# Altium PCB HOMER3E-V3.5-G510.PcbDoc (part 2 of 2)
Units mm, origin at the board's own origin, x right, y up, seen from the top; angles counter-clockwise.
Board outline 74 x 50 mm, 4 copper layers (TopLayer, Min_GND, GND, BottomLayer), stack 0.91 mm thick; 166 components, 113 nets, 518 pads, 287 vias.
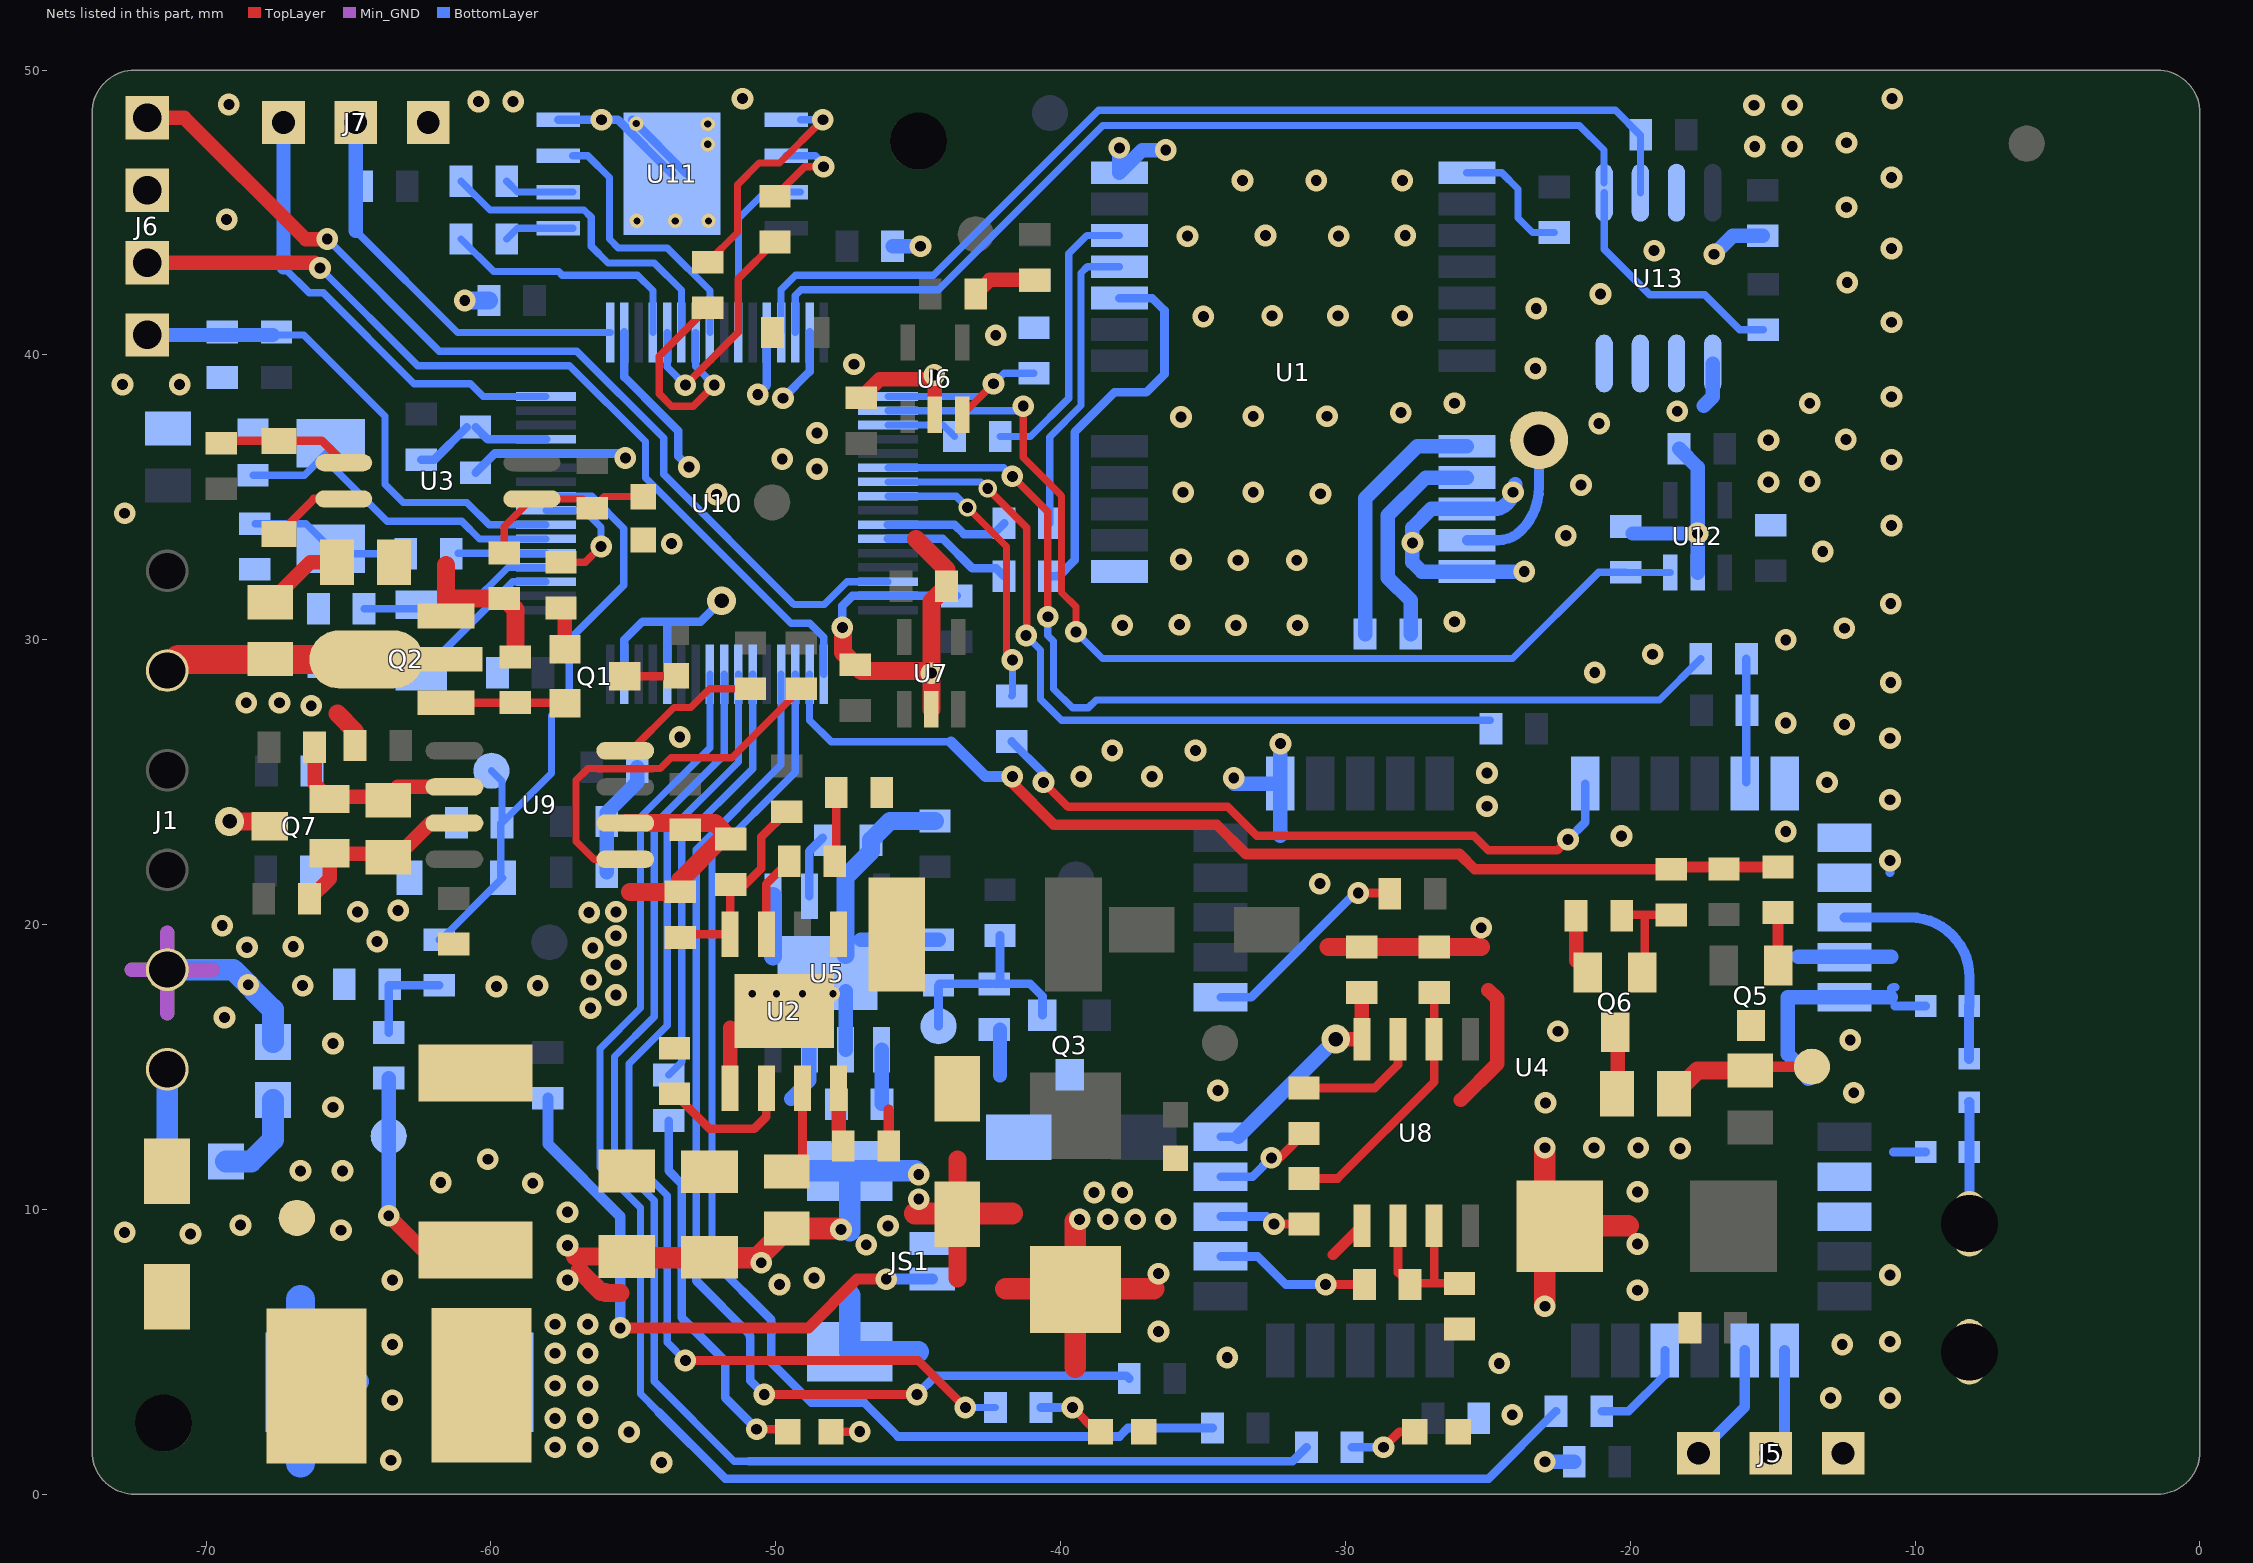
[diagram p4: the nets of this part, all layers, seen from the top]

## Via types
v1: diameter 0.762, hole 0.381, TopLayer to BottomLayer, tented both sides, 267 vias
v2: diameter 0.508, hole 0.254, TopLayer to BottomLayer, tented both sides, 10 vias
v3: diameter 1.016, hole 0.508, TopLayer to BottomLayer, tented both sides, 8 vias
v4: diameter 0.635, hole 0.381, TopLayer to BottomLayer, tented both sides, 2 vias

## Nets (pads, with @x,y where several pads share a name; then routed paths per layer and width w, separated by ;. In a path a pad name is that pad's centre, name@x,y a point inside that pad or via, vN(x,y) a via of type N, cw(c..) or ccw(c..) an arc to the next point about the centre after c; other vN are vias at no path point) (continued)
GND: C1.2 C3.2 C4.2 C6.2 C8.2 C9.1 C12.2 C13.2 C14.2 C15.2 C16.2 C17.2 C19.2 C20.2 C21.2 C22.2 C23.2 C24.2 C25.2 C26.2 C27.2 C28.2 C29.2 C30.2 C31.2 C32.2 C33.2 C34.1 C35.1 C36.1 C37.1 C38.1 C39.1 C40.2 C41.2 C42.2 C43.2 C46.2 C47.2 C48.2 C49.1 C50.2 C51.2 C52.2 C53.2 C54.2 C55.2 C56.2 C57.2 D1.1 D2.1 D4.1 D7.2 D8.2 D10.2 D11.2 J1.2 J5.3 J6.3 J7.3 JS1.2 JS1.B1 JS1.B2 pad.2@-8.09,5 Q2.3 Q6.3 Q7.3 R4.2 R5.1 R7.2 R8.2 R11.2 R19.2 R20.2 R27.2 R30.2 R34.2 R48.2 R59.2 TP8.1 U1.10 U1.12 U1.13 U1.24 U2.5 U2.9 U3.2 U4.1 U4.2 U4.4 U4.5 U4.7 U4.8 U4.32 U4.42 U5.1 U5.3 U5.6 U5.7 U5.9 U6.2 U7.2 U8.1 U9.2 U10.12 U10.18 U10.28 U10.31 U10.47 U10.60 U10.63 U11.4 U11.9 U12.2 U13.1 U13.2 U13.3 U13.4 U13.7 | length 223.1
  TopLayer w0.3: D1.1@-67.44,33.715 -66.21,34.945 U3.2@-65.162,34.945 ; R8.2@-51.911,23.01 R8.2@-51.58,23.01 ; D11.2@-48.056,2.2 v1(-47.051,2.2)
  TopLayer w0.381: -30.439,8.407 U8.1@-29.423,9.423
  TopLayer w0.508: U2.5@-51.6,14.26 -51.6,16.386 ; C22.2@-47,38.494 -46.35,39.144 v1@-44.513,39.144 ; U6.2@-44.409,37.897 v1@-44.409,39.04 ; C20.2@-42.974,42.139 -42.479,42.634 C3.2@-40.904,42.634 ; -25.943,13.843 -24.674,15.112 -24.674,17.4 -24.978,17.704 ; C48.2@-21.9,20.315 -21.9,18.739 Q6.3@-21.483,18.322
  TopLayer w0.635: v3(-69.174,23.622) Q7.3@-67.922,23.622 ; -65.389,27.407 -64.767,26.784 C49.1@-64.767,26.289 ; Q2.3@-61.57,30.834 -61.57,32.63 ; -61.559,31.45 R7.2@-59.53,31.45 -59.14,31.06 R11.2@-59.14,29.4 ; -57.039,8.35 C6.2@-55.23,8.35 ; -56.88,7.849 -56.131,7.099 -55.977,7.099 -55.977,7.061 -55.458,7.061 ; U9.2@-55.28,23.565 -52.135,23.565 R8.2@-51.58,23.01 ; -55.111,21.15 C13.2@-53.35,21.15 -53.35,21.571 R8.2@-51.911,23.01 ; v1(-47.66,30.429) -47.635,30.404 -47.635,29.553 C19.2@-47.203,29.121 -46.987,28.905 -44.815,28.905 v1@-44.536,28.626 ; -45.069,33.54 -44.003,32.473 C21.2@-44.003,31.877 -44.536,31.344 v1@-44.536,28.626 ; U7.2@-44.536,27.559 v1@-44.536,28.626 ; -43.622,7.569 -43.622,11.76 ; -30.592,19.215 C39.1@-29.423,19.215 -25.245,19.215
  TopLayer w0.762: C6.2@-55.23,8.306 -50.634,8.306 C8.2@-49.61,9.33 v1@-47.83,9.33 ; -45.12,9.855 -41.691,9.855 ; -41.92,7.214 -36.738,7.214 ; -39.481,4.47 v1@-39.481,9.576 ; v1(-22.997,6.604) v1(-22.997,12.167) ; C24.2@-22.463,9.423 -20.076,9.423
  Min_GND w0.508: -72.603,18.415 -69.763,18.415 ; -71.358,16.891 -71.358,19.71
  BottomLayer w0.3: -66.71,1.067 -66.685,1.092 ; C55.2@-60.538,35.865 -59.863,36.54 U10.12@-58.06,36.54 -55.438,36.54 v1(-55.279,36.381) ; U11.4@-57.636,48.259 -55.541,48.259 U11.9@-53.636,46.354 ; U10.63@-55.31,28.79 -55.31,30.005 -54.675,30.64 -52.631,30.64 v3(-51.902,31.369) ; U10.18@-55.31,40.79 -55.31,39.222 -53.934,37.846 ; U11.9@-55.033,48.259 U11.9@-53.128,46.354 ; U10.60@-53.81,28.79 -53.81,30.637 ; -53.807,37.719 -53.934,37.846 ; v1(-53.045,36.068) -53.426,36.449 -53.426,37.338 -53.934,37.846 ; v1(-50.632,38.608) -50.31,38.93 U10.28@-50.31,40.79 ; v1(-49.743,38.481) -48.81,39.414 U10.31@-48.81,40.79 ; v1(-47.66,30.429) -47.66,31.191 -47.311,31.54 U10.47@-46.06,31.54 ; -47.151,31.54 U10.47@-46.06,31.54 ; C30.2@-43.653,31.54 U10.47@-46.06,31.54
  BottomLayer w0.305: -10.881,21.819 v1(-10.881,22.25) ; -10.83,17.755 cw(c-10.708,17.632) -10.708,17.805 ; -10.77,12.014 C56.2@-9.627,12.014 ; -10.708,17.145 C57.2@-9.627,17.145
  BottomLayer w0.508: R20.2@-55.928,21.844 -55.928,23.927 -54.861,24.993 C31.2@-54.861,25.527 ; -49.464,13.894 -48.819,14.538 U5.7@-48.819,15.601 U5.9@-48.819,17.666 ; U5.6@-47.549,15.601 U5.9@-47.549,17.666 ; U5.9@-47.016,19.469 C41.2@-44.282,19.469 ; C34.1@-45.895,43.815 v1(-44.917,43.815) ; v1(-37.936,47.268) U1.24@-37.936,46.395 -37.138,47.193 v1(-36.306,47.193) ; v1@-33.901,24.95 U4.32@-32.28,24.95 ; -32.28,23.127 U4.32@-32.28,24.95 ; v1(-32.28,26.353) U4.32@-32.28,24.95 ; v1@-24.038,35.458 cw(c-24.958,35.458) -24.308,34.808 -24.343,34.773 cw(c-24.771,35.2) -24.771,34.595 U1.10@-25.736,34.595 -26.984,34.595 -27.645,33.934 -27.645,32.715 -27.325,32.395 U1.12@-25.736,32.395 v1(-23.718,32.395) ; v1(-22.997,1.143) C17.2@-21.968,1.143 ; R30.2@-19.911,33.731 v1(-17.637,33.731) ; C42.2@-18.285,36.703 -17.637,36.055 v1(-17.637,33.731) ; U12.2@-17.637,32.36 v1(-17.637,33.731) ; -17.421,38.221 -17.104,38.538 U13.1@-17.104,39.697 ; v1(-17.053,43.536) -16.405,44.183 C46.2@-15.351,44.183 ; -14.107,18.872 -10.83,18.872 ; -13.751,14.58 -13.751,14.732 -14.462,15.443 -14.462,17.45 -10.856,17.45
  BottomLayer w0.635: v1(-60.919,41.91) C28.2@-60.068,41.91 ; -50.089,18.888 U5.1@-50.089,21.001 ; U5.9@-47.549,18.936 U5.3@-47.549,21.001 -47.549,21.676 -46.657,22.568 R19.2@-46.657,22.962 -45.984,23.635 C16.2@-44.409,23.635
  BottomLayer w0.762: J1.2@-71.36,18.42 -69.052,18.42 -67.65,17.018 C40.2@-67.65,15.875 ; D4.1@-66.634,3.962 -64.653,3.962 ; -49.413,11.354 v1@-45.103,11.354 ; -47.398,6.976 JS1.B1@-47.398,5.004 -44.993,5.004 ; v1@-47.398,9.254 JS1.B2@-47.398,11.354
  BottomLayer w1.016: -66.685,1.092 -66.685,6.833
  other v1: -54.01,1.118 -63.51,1.194 -55.153,2.184 -24.14,2.794 -63.459,3.302 -12.964,3.378 -10.881,3.378 -24.597,4.597 -34.147,4.801 -63.459,5.258 -12.557,5.258 -10.881,5.359 -36.56,5.715 -19.746,7.163 -49.87,7.366 -63.459,7.518 -57.312,7.518 -48.651,7.595 -10.881,7.696 -36.56,7.747 -50.507,8.128 -57.312,8.738 -46.822,8.763 -19.746,8.788 -70.546,9.144 -72.857,9.195 -65.262,9.271 -47.711,9.296 -46.06,9.423 -68.793,9.449 -39.329,9.652 -38.338,9.652 -37.373,9.652 -36.306,9.652 -57.312,9.906 -44.976,10.363 -38.821,10.592 -37.83,10.592 -19.746,10.617 -58.531,10.922 -61.757,10.947 -44.976,11.227 -66.685,11.354 -65.212,11.354 -60.106,11.76 -18.247,12.141 -21.27,12.167 -19.72,12.167 -65.542,13.589 -22.971,13.741 -12.151,14.097 -34.478,14.173 -65.542,15.824 -12.278,15.951 -22.54,16.256 -69.352,16.739 -56.499,17.069 -55.61,17.526 -59.801,17.831 -66.609,17.856 -58.354,17.856 -68.52,17.888 -56.474,18.059 -55.61,18.593 -56.423,19.177 -68.564,19.202 -66.939,19.228 -63.992,19.406 -55.61,19.609 -25.232,19.888 -69.428,19.964 -56.55,20.422 -64.678,20.447 -55.61,20.447 -63.256,20.498 -30.896,21.438 -20.304,23.114 -14.539,23.266 -25.029,24.155 -10.881,24.384 -13.091,24.994 -33.919,25.146 -39.278,25.197 -36.789,25.197 -25.029,25.324 -38.186,26.111 -35.265,26.111 -10.881,26.543 -53.369,26.585 -12.481,27.026 -14.539,27.076 -66.304,27.686 -68.59,27.788 -67.421,27.788 -10.856,28.499 -44.536,28.829 -21.244,28.854 -19.212,29.489 -14.539,29.997 -12.481,30.404 -37.83,30.505 -33.843,30.505 -31.684,30.505 -35.824,30.531 -26.172,30.632 -10.856,31.267 -33.766,32.791 -31.709,32.791 -35.773,32.817 -13.243,33.096 -53.655,33.376 -27.645,33.401 -22.26,33.655 -10.83,34.011 -72.857,34.442 -52.08,35.103 -30.871,35.128 -35.697,35.179 -33.233,35.179 -24.114,35.179 -21.727,35.433 -15.148,35.535 -13.7,35.56 -48.549,35.992 -10.83,36.322 -49.768,36.347 -15.148,37.008 -12.43,37.033 -48.549,37.262 -21.092,37.592 -35.773,37.821 -33.233,37.846 -30.642,37.846 -28.051,37.973 -18.349,38.024 -26.172,38.303 -13.7,38.303 -10.83,38.532 -72.933,38.964 -70.927,38.964 -44.434,39.294 -23.327,39.522 -47.254,39.675 -42.275,40.691 -10.83,41.148 -34.986,41.351 -32.573,41.377 -30.261,41.377 -28.001,41.377 -23.302,41.631 -21.041,42.139 -12.38,42.545 -19.161,43.663 -10.83,43.739 -35.544,44.171 -30.236,44.171 -32.801,44.196 -27.899,44.196 -69.276,44.755 -12.405,45.187 -33.614,46.126 -31.023,46.126 -28.001,46.126 -10.83,46.228 -15.631,47.32 -14.31,47.32 -12.405,47.447 -56.118,48.259 -15.656,48.768 -14.31,48.768 -69.199,48.793 -60.436,48.895 -59.217,48.895 -51.165,48.997 -10.805,48.997
  other v2: -50.826,17.577 -49.972,17.577 -49.057,17.577 -47.99,17.577 -54.874,44.704 -53.528,44.704 -52.359,44.704 -52.385,47.396 -52.385,48.108 -54.898,48.124
GNSS_LED: R37.1 U10.55 | length 38.1
  TopLayer w0.305: v1(-53.172,4.699) -44.993,4.699 v1(-43.342,3.048)
  BottomLayer w0.254: v1(-53.172,4.699) -53.807,5.334 -53.807,10.439 -53.807,10.49 -55.153,11.836 -55.153,15.113 -53.807,16.459 -53.807,23.216 -51.31,25.713 U10.55@-51.31,28.79 ; v1(-43.342,3.048) R37.1@-42.288,3.048
GPS_EN: R34.1 U6.3 U10.33 | length 7
  TopLayer w0.254: U6.3@-43.459,37.897 -43.444,37.897 v1(-42.352,38.989)
  BottomLayer w0.254: U10.33@-46.06,38.54 -42.801,38.54 v1(-42.352,38.989) -41.983,39.357 R34.1@-40.929,39.357
GPS_RXD: R41.1 U10.42 | length 4.4
  BottomLayer w0.3: U10.42@-46.06,34.04 -43.723,34.04 -43.395,33.712 -42.358,33.712 R41.1@-41.983,34.087
GPS_TXD: R40.1 U10.43 | length 4.6
  BottomLayer w0.3: U10.43@-46.06,33.54 -44.13,33.54 -43.102,32.512 -42.263,32.512 R40.1@-41.983,32.233
GPS_VBACK: R1.1 U10.35 | length 2.5
  BottomLayer w0.254: U10.35@-46.06,37.54 -44.124,37.54 R1.1@-43.719,37.135
GSM_LED: R25.1 U10.56 | length 51.3
  BottomLayer w0.254: U10.56@-51.81,28.79 -51.81,25.959 -54.264,23.505 -54.264,16.764 -55.661,15.367 -55.661,11.709 -54.264,10.312 -54.264,3.965 -51.461,1.162 -50.937,1.162
  BottomLayer w0.305: -50.937,1.162 -31.855,1.162 R25.1@-31.366,1.651
GSM_PWR_EN: R33.2 R35.1 R36.2 U10.50 | length 37.9
  TopLayer w0.381: v1(-41.691,25.197) -41.691,24.968 -40.231,23.508 -34.516,23.508 -33.487,22.479 -25.994,22.479 -25.456,21.941 R36.2@-18.56,21.941 ; R36.2@-18.56,22.024 R35.1@-14.81,22.024
  BottomLayer w0.254: U10.50@-48.81,28.79 -48.81,27.178 -48.048,26.416 -43.85,26.416
  BottomLayer w0.381: -43.85,26.416 -42.631,25.197 v1(-41.691,25.197)
GSM_PWR_ON: R21.2 U10.57 | length 61.8
  BottomLayer w0.254: -54.122,2.901 -54.747,3.526 -54.747,10.058 -56.169,11.481 -56.169,15.646 -54.747,17.069 -54.747,23.774 -52.31,26.211 U10.57@-52.31,28.79
  BottomLayer w0.3: -54.122,2.901 -51.767,0.546 -51.394,0.546
  BottomLayer w0.305: -51.394,0.546 -24.978,0.546 R21.2@-22.603,2.921
GSM_RST: R24.2 U10.40 | length 10.2
  TopLayer w0.254: v4(-43.266,34.646) -41.894,33.274 -41.894,29.489 v1(-41.691,29.286)
  BottomLayer w0.254: U10.40@-46.06,35.04 -43.66,35.04 v4(-43.266,34.646) ; R24.2@-41.717,28.029 -41.691,28.054 v1(-41.691,29.286)
GSM_RXD: R47.2 U10.51 | length 42.9
  BottomLayer w0.254: -52.235,8.207 -52.235,22.425 -49.31,25.35 U10.51@-49.31,28.79
  BottomLayer w0.305: -52.235,8.207 -50.153,6.125 -50.153,4.627 -48.752,3.226 -46.898,3.226 -45.704,2.032 -37.932,2.032 -37.637,2.327 R47.2@-34.668,2.327
GSM_STATUS: R32.2 U10.39 | length 27.9
  TopLayer w0.254: v4(-42.555,35.306) -41.183,33.934 v1@-41.183,30.175
  BottomLayer w0.254: U10.39@-46.06,35.54 -42.789,35.54 v4(-42.555,35.306) ; v1(-41.209,30.15) -40.701,29.642 -40.701,27.915 -39.964,27.178 R32.2@-24.902,27.178
GSM_TXD: R45.2 U10.52 | length 40.6
  TopLayer w0.305: v1(-50.403,3.505) v1(-45.044,3.505)
  BottomLayer w0.254: -52.791,8.128 -52.791,22.631 -49.81,25.612 U10.52@-49.81,28.79
  BottomLayer w0.305: -52.791,8.128 -52.791,7.493 -50.907,5.609 -50.907,5.54 -50.895,5.54 -50.895,3.997 v1(-50.403,3.505) ; v1(-45.044,3.505) -44.384,4.166 -37.691,4.166 R45.2@-37.589,4.064
GSM_WAKE_UP: R51.2 U10.38 | length 35.8
  TopLayer w0.254: v1(-41.691,35.738) -40.447,34.493 v1(-40.447,30.81)
  BottomLayer w0.254: U10.38@-46.06,36.04 -41.993,36.04 ; v1(-40.447,30.81) -40.447,30.15 -40.243,29.947 -40.243,28.27 -39.583,27.61 -39.024,27.61 -38.745,27.889 -18.971,27.889 R51.2@-17.523,29.337
JDQK: J1.5 Q2.2 R10.1 | length 7.2
  TopLayer w0.305: J1.5@-71.36,28.92 J1.5@-70.969,29.311
  TopLayer w1.016: J1.5@-70.969,29.311 Q2.2@-64.37,29.311
JDQK_O: R9.1 U10.8 | length 4.5
  TopLayer w0.254: R9.1@-57.54,32.72 -56.683,32.72 v1(-56.129,33.274)
  BottomLayer w0.254: U10.8@-58.06,34.54 -56.724,34.54 -56.129,33.945 v1(-56.129,33.274)
MCU_LED: R38.2 U10.54 | length 15.3
  BottomLayer w0.254: R38.2@-53.756,14.719 -53.299,15.176 -53.299,22.987 -50.81,25.476 U10.54@-50.81,28.79
MEM_EN: R30.1 U10.34 U12.3 | length 36
  TopLayer w0.254: v1(-41.31,38.202) -41.31,36.398 -39.964,35.052 -39.964,31.663 -39.456,31.155 v1(-39.456,30.277)
  BottomLayer w0.254: U10.34@-46.06,38.04 -41.472,38.04 v1(-41.31,38.202) ; v1(-39.456,30.277) -38.525,29.346 -24.131,29.346 -21.104,32.372 R30.1@-20.152,32.372 ; R30.1@-20.152,32.36 U12.3@-18.587,32.36
NetANT1_1: ANT1.1 U1.11 | length 5.3
  BottomLayer w0.356: U1.11@-25.736,33.495 -24.65,33.495 ccw(c-24.65,34.647) -23.835,33.833 ccw(c-25.368,35.366) -23.2,35.366 ANT1.1@-23.2,37.008
NetANT2_1: C56.1 pad.2@-8.09,9.5 R68.2 | length 4.3
  BottomLayer w0.36: pad.2@-8.09,9.5 R68.2@-8.09,13.767
  BottomLayer w0.37: R68.2@-8.103,13.767 R68.2@-8.09,13.767
NetC2_1: C2.1 U2.8 | length 1.9
  TopLayer w0.508: C2.1@-47.79,12.39 U2.8@-47.79,14.26
NetC2_2: C2.2 D2.2 L1.1 U2.1 | length 1.8
  TopLayer w0.381: C2.2@-46.03,12.23 -46.03,13.492
  TopLayer w0.6: L1.1@-45.75,19.66 L1.1@-45.38,19.29
NetC5_1: C5.1 U2.3 | length 2.9
  TopLayer w0.305: U2.3@-50.33,19.66 -50.33,21.422 C5.1@-49.527,22.225
NetC5_2: C5.2 R5.2 | length 2.4
  TopLayer w0.305: C5.2@-47.876,22.276 R5.2@-47.876,24.638
NetC6_1: C6.1 C8.1 C9.2 L2.2 U2.7 | length 2.4
  TopLayer w0.305: C8.1@-49.06,11.88 U2.7@-49.06,14.26
NetC13_1: C13.1 R6.2 R8.1 U2.4 | length 7
  TopLayer w0.305: C13.1@-53.24,19.66 U2.4@-51.6,19.66 R8.1@-51.6,21.39 ; R8.1@-51.58,21.41 -51.066,21.41 -50.505,21.971 -50.505,23.076 R6.2@-49.616,23.965
NetC14_1: C14.1 R10.2 | length 2.9
  TopLayer w0.508: R10.2@-67.74,31.32 -66.34,32.72 C14.1@-65.4,32.72
NetC18_1: C18.1 D3.1 J1.1 | length 3.2
  BottomLayer w0.762: C18.1@-71.36,11.711 J1.1@-71.36,14.92
NetC18_2: C18.2 C40.1 | length 3.4
  BottomLayer w0.762: C18.2@-69.301,11.684 -68.412,11.684 -67.65,12.446 C40.1@-67.65,13.843
NetC38_2: C38.2 R46.1 Y2.1 | length 5.5
  BottomLayer w0.254: C38.2@-68.285,34.074 -66.49,34.074 Y2.1@-65.618,33.202 ; Y2.1@-65.436,33.02 R46.1@-62.989,33.02
NetC41_1: C41.1 Q3.1 R13.2 R29.1 TP9.1 | length 7.5
  BottomLayer w0.305: TP9.1@-44.282,16.434 C41.1@-44.282,17.844 ; C41.1@-44.257,17.92 R29.1@-42.428,17.92 ; R29.1@-42.326,17.92 -41.069,17.92 -40.635,17.485 Q3.1@-40.635,16.823 ; R29.1@-42.123,17.92 R13.2@-42.123,19.622
NetC48_1: C48.1 Q6.1 R36.1 | length 4
  TopLayer w0.305: C48.1@-20.274,20.341 R36.1@-18.56,20.341 ; Q6.1@-19.49,17.97 -19.49,20.241
NetC54_1: C54.1 R7.1 R67.1 U3.3 | length 6.7
  TopLayer w0.254: R7.1@-59.53,33.05 -59.53,33.973 U3.3@-58.558,34.945 -56.763,34.945 R67.1@-56.439,34.62 -56.032,35.027 C54.1@-54.645,35.027 ; C54.1@-54.645,35.154 C54.1@-54.417,35.154
NetC55_1: C55.1 R61.1 U10.13 | length 4.7
  BottomLayer w0.3: R61.1@-62.443,36.322 -61.984,36.322 C55.1@-60.841,37.465 ; C55.1@-60.538,37.465 -60.113,37.04 U10.13@-58.06,37.04
NetC57_1: C57.1 R68.1 U4.3 | length 8.5
  BottomLayer w0.36: U4.3@-12.48,20.25 -10.179,20.25 cw(c-10.179,18.161) -8.09,18.161 C57.1@-8.09,17.158 ; R68.1@-8.103,15.291 C57.1@-8.103,17.145
  BottomLayer w0.37: C57.1@-8.103,17.145 C57.1@-8.09,17.158
NetD1_2: D1.2 R2.1 U3.1 | length 4.5
  TopLayer w0.305: R2.1@-69.385,36.985 D1.2@-67.44,36.985 -65.932,36.985 U3.1@-65.162,36.215
NetD3_2: D3.2 F1.1
NetD7_1: D7.1 R25.2 | length 2.4
  TopLayer w0.305: v1(-28.661,1.651) -28.112,2.2 D7.1@-27.56,2.2
  BottomLayer w0.305: R25.2@-29.766,1.651 v1(-28.661,1.651)
NetD10_1: D10.1 R37.2 | length 2.4
  TopLayer w0.3: D10.1@-38.735,2.2 D10.1@-38.6,2.2
  TopLayer w0.305: v1(-39.583,3.048) D10.1@-38.735,2.2
  BottomLayer w0.305: R37.2@-40.688,3.048 v1(-39.583,3.048)
NetD11_1: D11.1 R38.1 | length 13.3
  TopLayer w0.305: v1@-50.886,2.286 v1(-50.67,2.286) D11.1@-49.666,2.286
  BottomLayer w0.305: R38.1@-53.756,13.119 -53.756,11.354 -53.299,10.897 -53.299,6.198 -51.775,4.674 -51.775,3.391 v1(-50.67,2.286)
NetJ5_1: J5.1 U4.12 | length 4.3
  BottomLayer w0.381: J5.1@-17.606,1.439 -15.98,3.065 U4.12@-15.98,5.05
NetJ5_2: J5.2 U4.11 | length 3.8
  BottomLayer w0.381: J5.2@-15.066,1.439 -14.58,1.925 U4.11@-14.58,5.05
NetL9_1: L9.1 Q5.3 R56.1 TP11.1 | length 5
  TopLayer w0.381: L9.1@-15.659,15.011 TP11.1@-13.624,15.011
  TopLayer w0.635: R56.1@-18.46,14.06 -17.64,14.88 L9.1@-15.79,14.88
NetQ1_1: Q1.1 R9.2 | length 1.3
  TopLayer w0.508: Q1.1@-57.4,29.67 R9.2@-57.4,30.98
NetQ1_2: Q1.2 Q2.1 R11.1 | length 4.2
  TopLayer w0.305: Q2.1@-61.57,27.786 -57.416,27.786 Q1.2@-57.4,27.77
NetQ1_3: Q1.3 R60.1 | length 1.8
  TopLayer w0.305: Q1.3@-55.3,28.72 R60.1@-53.5,28.72
NetQ5_1: Q5.1 R35.2 | length 1.9
  TopLayer w0.381: Q5.1@-14.81,18.56 R35.2@-14.81,20.424
NetQ6_2: Q6.2 R56.2 | length 1.8
  TopLayer w0.508: R56.2@-20.44,14.08 Q6.2@-20.44,15.87
NetQ7_1: Q7.1 R39.1 R42.1 U9.7 | length 6.5
  TopLayer w0.508: R39.1@-66.37,20.905 -65.66,21.615 Q7.1@-65.66,22.51 ; Q7.1@-65.64,22.49 R42.1@-63.61,22.49 ; R42.1@-63.448,22.49 -63.205,22.49 -62.13,23.565 U9.7@-61.28,23.565
NetQ7_2: Q7.2 R42.2 R43.1 U9.6 | length 6.5
  TopLayer w0.305: R42.2@-63.61,24.49 R42.2@-63.265,24.835
  TopLayer w0.508: R43.1@-66.19,26.23 -66.19,24.94 Q7.2@-65.66,24.41 ; Q7.2@-65.58,24.49 R42.2@-63.61,24.49 ; R42.2@-63.265,24.835 U9.6@-61.28,24.835
NetR1_2: R1.2 U1.22 | length 10.1
  BottomLayer w0.254: R1.2@-42.119,37.135 -41.056,37.135 -39.71,38.481 -39.71,43.561 -39.076,44.195 U1.22@-37.936,44.195
NetR4_1: R4.1 U2.6 | length 4.9
  TopLayer w0.305: R4.1@-53.553,14.059 -52.327,12.833 -50.753,12.833 -50.33,13.256 U2.6@-50.33,14.26
NetR12_2: R12.2 R51.1 U4.41 | length 4.3
  BottomLayer w0.305: U4.41@-15.923,25.007 R51.1@-15.923,29.337
NetR14_1: R14.1 U4.23 | length 5.5
  TopLayer w0.305: v1(-30.693,7.366) R14.1@-29.334,7.366
  BottomLayer w0.305: U4.23@-34.38,8.35 -33.074,8.35 -32.09,7.366 v1(-30.693,7.366)
NetR16_1: R16.1 U4.24 | length 3
  TopLayer w0.305: v1(-32.509,9.487) R16.1@-31.455,9.487
  BottomLayer w0.3: v1@-32.772,9.75 v1(-32.509,9.487)
  BottomLayer w0.305: U4.24@-34.38,9.75 v1@-32.772,9.75
NetR17_1: R17.1 U4.25 | length 3.6
  TopLayer w0.305: v1(-32.598,11.811) -32.306,11.811 R17.1@-31.455,12.662
  BottomLayer w0.305: U4.25@-34.38,11.15 -33.259,11.15 v1(-32.598,11.811)
NetR18_2: R18.2 U4.27 | length 7.4
  TopLayer w0.305: v1(-29.55,21.107) R18.2@-28.445,21.107
  BottomLayer w0.305: U4.27@-34.38,17.45 -33.309,17.45 -29.652,21.107 v1(-29.55,21.107)
NetR19_1: R19.1 U5.2 | length 2.2
  BottomLayer w0.305: U5.2@-48.819,21.001 -48.819,22.578 R19.1@-48.346,23.051
NetR21_1: R21.1 U4.14 | length 3.6
  BottomLayer w0.305: R21.1@-21.003,2.921 -20.05,2.921 -18.78,4.191 U4.14@-18.78,5.05
NetR22_1: R22.1 R23.2 R27.1 | length 3.4
  BottomLayer w0.305: R22.1@-63.58,16.21 R27.1@-63.58,17.875 ; R27.1@-63.51,17.869 R23.2@-61.808,17.869
NetR24_1: R24.1 U4.37 | length 23.7
  TopLayer w0.3: v1(-40.599,24.994) -39.735,24.13 -34.122,24.13 -33.106,23.114 -25.486,23.114 -24.978,22.606 -22.565,22.606 v1(-22.184,22.987)
  BottomLayer w0.3: R24.1@-41.717,26.429 -40.599,25.311 v1(-40.599,24.994) ; v1(-22.184,22.987) -21.58,23.591 U4.37@-21.58,24.95
NetR26_1: R26.1 U1.9 | length 7.8
  BottomLayer w0.508: R26.1@-27.709,30.201 -27.709,31.382 -28.509,32.182 -28.509,34.366 -27.179,35.695 U1.9@-25.736,35.695
NetR26_2: R26.2 U1.8 | length 9.1
  BottomLayer w0.508: R26.2@-29.309,30.201 -29.309,34.963 -27.476,36.795 U1.8@-25.736,36.795
NetR40_2: R40.2 U1.20 | length 13.6
  BottomLayer w0.305: R40.2@-40.383,32.233 -40.063,32.233 -39.507,32.789 -39.507,37.287 -38.11,38.684 -36.992,38.684 -36.354,39.323 -36.354,41.56 -36.789,41.995 U1.20@-37.936,41.995
NetR41_2: R41.2 U1.21 | length 10.7
  BottomLayer w0.254: R41.2@-40.383,34.087 -40.383,37.122 -39.278,38.227 -39.278,42.875 -39.058,43.095 U1.21@-37.936,43.095
NetR57_1: R57.1 U9.1 | length 13.4
  TopLayer w0.254: U9.1@-55.28,22.295 -56.379,22.295 -57.01,22.926 -57.01,25.065 -56.599,25.476 -56.26,25.476 -56.254,25.47 -54.306,25.47 -54.3,25.476 -54.059,25.476 -53.679,25.856 -51.535,25.856 R57.1@-49.108,28.283
NetR58_1: R58.1 U9.4 | length 5.3
  TopLayer w0.254: U9.4@-55.28,26.105 -55.089,26.105 -53.57,27.624 -52.98,27.624 -52.321,28.283 R58.1@-50.886,28.283
NetR62_2: R62.2 U11.1 | length 2.5
  BottomLayer w0.254: R62.2@-59.446,44.069 -59.066,44.449 U11.1@-57.636,44.449 U11.1@-57.128,44.449
NetR63_2: R63.2 U11.2 | length 2.5
  BottomLayer w0.254: R63.2@-59.446,46.101 -59.064,45.719 U11.2@-57.636,45.719 U11.2@-57.128,45.719
NetR64_1: R64.1 U11.6 | length 3.9
  TopLayer w0.254: R64.1@-50.022,45.568 -48.981,46.609 v1(-48.321,46.609) v1@-48.092,46.609
  BottomLayer w0.254: U11.6@-49.636,46.989 -48.599,46.989 -48.321,46.711 v1(-48.321,46.609)
NetR65_1: R65.1 U11.5 | length 7.9
  TopLayer w0.254: R65.1@-52.385,43.256 -51.343,44.298 -51.343,45.974 -50.582,46.735 -49.869,46.735 v1(-48.345,48.259)
  BottomLayer w0.254: U11.5@-49.128,48.259 v1(-48.345,48.259)
NetR66_2: R66.2 U1.1 | length 4.5
  BottomLayer w0.254: U1.1@-25.736,46.395 -24.51,46.395 -23.937,45.822 -23.937,44.806 -23.429,44.298 R66.2@-22.667,44.298
NRST: C33.1 J6.1 R44.1 U10.7 | length 18.3
  BottomLayer w0.254: J6.1@-72.07,40.7 J6.1@-71.965,40.805 ; R44.1@-67.65,40.7 -66.567,40.7 -63.713,37.846 -63.713,35.456 -63.078,34.821 -60.842,34.821 -60.061,34.04 U10.7@-58.06,34.04
  BottomLayer w0.508: J6.1@-72.07,40.7 R44.1@-67.65,40.7
PWR_ADC: C47.1 D8.1 R23.1 TP5.1 U10.9 | length 22.4
  BottomLayer w0.254: R23.1@-61.808,19.469 -61.751,19.469 D8.1@-59.649,21.571 ; TP5.1@-59.979,25.4 -59.611,25.032 C47.1@-59.611,23.571 -57.871,25.311 -57.871,27.342 -57.248,27.965 -57.248,29.997 -55.331,31.913 -55.331,33.909 -56.462,35.04 U10.9@-58.06,35.04 ; C47.1@-59.649,23.571 D8.1@-59.649,21.571 ; D8.1@-59.579,21.641 D8.1@-59.649,21.571
PWR_IN: D4.2 F1.2 L2.1 R22.2 TP1.1 | length 8.4
  TopLayer w0.5: L2.1@-62.391,8.584 L2.1@-60.538,8.584
  TopLayer w0.508: v1(-63.586,9.779) L2.1@-62.391,8.584
  BottomLayer w0.508: v1(-63.586,9.779) R22.2@-63.586,14.604
  other v1: -57.744,1.651 -56.601,1.651 -57.744,2.667 -56.601,2.667 -57.744,3.81 -56.601,3.81 -57.744,4.953 -56.601,4.953 -57.744,5.969 -56.601,5.969
SCL: R49.2 U10.29 U13.6 | length 36.9
  BottomLayer w0.254: U10.29@-49.81,40.79 -49.81,42.291 -49.302,42.799 -44.462,42.799 -38.671,48.59 -21.27,48.59 ; -20.977,48.59 -21.27,48.59 ; U13.6@-19.644,45.697 -19.644,47.714 -20.52,48.59 -21.27,48.59
SDA: R50.2 U10.30 U13.5 | length 42.4
  BottomLayer w0.254: U10.30@-49.31,40.79 -49.31,42.089 -49.108,42.291 -44.282,42.291 -38.516,48.057 -21.787,48.057 -20.924,47.193 U13.5@-20.924,46.04 ; U13.5@-20.914,45.697 -20.914,43.713 -19.314,42.113 -17.383,42.113 -16.152,40.881 R50.2@-15.326,40.881
SIM_CLK: C25.1 R16.2 U8.6 | length 9.1
  TopLayer w0.305: R16.2@-31.455,11.087 -30.274,11.087 -26.883,14.478 C25.1@-26.883,17.615
SIM_DATA: C26.1 R14.2 U8.2 U8.3 | length 6
  TopLayer w0.305: U8.2@-28.153,9.423 -28.153,7.785 R14.2@-27.734,7.366 ; R14.2@-27.696,7.404 C26.1@-25.994,7.404 ; -26.883,7.404 U8.3@-26.883,9.423
SIM_RST: R17.2 U8.7 | length 4.5
  TopLayer w0.305: R17.2@-31.455,14.262 -28.971,14.262 -28.153,15.08 U8.7@-28.153,15.977
SIM_VCC: C39.2 U4.26 U8.8 | length 8
  TopLayer w0.508: v3(-30.337,15.977) U8.8@-29.423,15.977 C39.2@-29.423,17.615
  BottomLayer w0.3: U4.26@-34.38,12.55 U4.26@-33.764,12.55
  BottomLayer w0.508: U4.26@-33.764,12.55 v3(-30.337,15.977)
SPI_CS: R62.1 U10.20 | length 9
  BottomLayer w0.254: R62.1@-61.046,44.069 -59.903,42.926 -57.617,42.926 -57.49,42.799 -54.848,42.799 -54.31,42.261 -54.31,41.986 U10.20@-54.31,40.79
SPI_HOLD: U10.26 U11.7 | length 6.6
  BottomLayer w0.254: U10.26@-51.31,40.79 -51.31,44.788 -50.379,45.719 U11.7@-49.636,45.719 U11.7@-49.128,45.719
SPI_MISO: R63.1 U10.22 | length 12.1
  BottomLayer w0.254: R63.1@-61.046,46.101 -60.03,45.085 -56.728,45.085 -56.474,44.831 -56.474,43.815 ; -56.013,43.354 -56.474,43.815 ; U10.22@-53.31,40.79 -53.31,42.28 -54.261,43.231 -55.89,43.231 -56.474,43.815
SPI_MOSI: R65.2 U10.23 | length 8.3
  TopLayer w0.254: R65.2@-52.385,41.656 -54.086,39.954 -54.086,38.633 -53.655,38.202 -52.894,38.202 v1(-52.156,38.94)
  BottomLayer w0.254: U10.23@-52.81,40.79 -52.81,39.594 v1(-52.156,38.94)
SPI_SCK: R64.2 U10.21 | length 8.4
  TopLayer w0.254: v1(-53.172,38.94) -51.317,40.795 -51.317,42.673 R64.2@-50.022,43.968
  BottomLayer w0.254: U10.21@-53.81,40.79 -53.81,39.578 v1(-53.172,38.94)
SPI_WP: U10.24 U11.3 | length 9.5
  BottomLayer w0.254: U11.3@-57.128,46.989 -56.6,46.989 -55.839,46.228 -55.839,44.069 -55.528,43.758 -53.807,43.758 -52.31,42.261 U10.24@-52.31,40.79
STM32_8MIN: C36.2 U10.6 Y2.2 | length 12.3
  BottomLayer w0.254: C36.2@-68.35,35.776 -66.545,35.776 -65.618,36.703 -65.618,36.134 -63.647,34.163 -61.022,34.163 -60.399,33.54 U10.6@-58.06,33.54
STM32_8MOUT: R46.2 U10.5 | length 3.1
  BottomLayer w0.254: R46.2@-61.155,33.04 U10.5@-58.06,33.04
STM32_32IN: C35.2 U10.4 Y1.2 | length 7
  BottomLayer w0.254: C35.2@-64.453,31.088 -62.062,31.088 -60.847,31.088 -59.395,32.54 U10.4@-58.06,32.54
STM32_32OUT: C37.2 U10.3 Y1.1 | length 7.5
  BottomLayer w0.254: C37.2@-64.437,29.21 -62.062,29.21 -59.232,32.04 U10.3@-58.06,32.04
SWCLK: J6.2 U10.49 | length 36.1
  TopLayer w0.254: v1@-66.186,43.24 v1(-65.999,43.053)
  TopLayer w0.508: -67.202,43.24 J6.2@-72.07,43.24 v1@-66.186,43.24
  BottomLayer w0.254: v1(-65.999,43.053) -62.57,39.624 -57.236,39.624 -54.569,36.957 -54.569,35.687 -49.466,30.584 -48.803,30.584 -48.31,30.091 -48.31,29.997 U10.49@-48.31,28.79
SWDIO: J6.4 U10.46 | length 34.2
  TopLayer w0.508: J6.4@-72.07,48.32 -70.758,48.32 -66.507,44.069 v1(-65.745,44.069)
  BottomLayer w0.254: v1(-65.745,44.069) -61.808,40.132 -56.982,40.132 -53.934,37.084 -53.934,35.814 -49.362,31.242 -48.295,31.242 -47.497,32.04 U10.46@-46.06,32.04
USART2_RX: J7.2 R31.2 U10.17 | length 14.2
  BottomLayer w0.254: -64.74,44.357 -61.173,40.79 U10.17@-55.81,40.79
  BottomLayer w0.508: -64.74,44.357 J7.2@-64.74,48.16
USART2_TX: J7.1 U10.16 | length 16.2
  BottomLayer w0.254: -67.28,43.079 -66.38,42.179 -65.887,42.179 -62.697,38.989 -60.716,38.989 -60.267,38.54 U10.16@-58.06,38.54
  BottomLayer w0.508: -67.28,43.079 J7.1@-67.28,48.16
VBAT: C15.1 D6.1 JS1.1 Q3.3 R15.2 R29.2 U5.5 | length 24.3
  TopLayer w0.381: v1(-55.458,5.842) -48.854,5.842 -47.142,7.554 v1(-46.121,7.554)
  BottomLayer w0.381: R15.2@-57.998,13.907 -57.998,12.294 -55.458,9.754 v1(-55.458,5.842) ; v1(-46.121,7.554) JS1.1@-44.498,7.554
  BottomLayer w0.5: -42.123,14.714 R29.2@-42.123,16.32
  BottomLayer w0.508: C15.1@-46.279,13.705 U5.5@-46.279,15.601
pads on no net: JS1. U1.2 U1.3 U1.4 U1.5 U1.6 U1.7 U1.14 U1.15 U1.16 U1.17 U1.18 U1.19 U2.2 U4.6 U4.15 U4.16 U4.17 U4.20 U4.21 U4.22 U4.28 U4.29 U4.30 U4.31 U4.33 U4.34 U4.35 U4.36 U4.38 U4.39 U4.40 U6.4 U7.4 U8.4 U8.5 U10.2 U10.11 U10.15 U10.25 U10.27 U10.36 U10.37 U10.41 U10.53 U10.58 U10.59 U10.61 U12.4

## Polygon pours and split planes (outlines as drawn)
GND on TopLayer "Top Layer-GND" (solid, remove dead copper, shelved, pour order 0): -73.833,0.16 -10.359,0.16 -10.359,50.16 -73.821,50.16 -73.833,50.173 -73.833,0.16
GND on TopLayer "Top Layer-GND" (solid, remove dead copper, pour order 1000): -74,0 -10.525,0 -10.525,49.975 -10.551,50 -10.563,50.013 -74,50.013 -74,0
GND on Min_GND "Top Layer-GND" (solid, remove dead copper, shelved, pour order 2): -74,0 -10.525,0 -10.525,50.013 -74,50.013 -74,0
GND on Min_GND "Top Layer-GND" (solid, remove dead copper, pour order 1001): -74,0 -10.525,0 -10.525,50.013 -74,50.013 -74,0
GND on BottomLayer "Top Layer-GND" (solid, remove dead copper, pour order 1003): -74,0 -10.525,0 -10.525,50.013 -74,50.013
GND on BottomLayer "Top Layer-GND" (solid, remove dead copper, shelved, pour order 4): -74,0 -10.525,0 -10.525,50.013 -74,50.013
GND on GND "Top Layer-GND" (solid, remove dead copper, pour order 1002): -74,0 -10.525,0 -10.525,50.013 -74,50.013 -74,0

## Keep-outs
KeepOutLayer:
  the board outline again, w0.2

## Other copper
TopLayer:
  rectangle net GND: -48.524,16.683 -47.305,18.263
  rectangle net GND: -51.648,15.519 -46.847,16.967
  rectangle net DC_4V2: -37.297,15.24 -31.963,17.018
  rectangle net DC_4V2: -34.122,15.748 -31.963,20.955
  rectangle net DC_4V2: -37.551,14.082 -35.9,17.018
  rectangle net DC_4V7: -39.55,17.526 -36.027,21.666
  rectangle net NetC2_2: -46.279,13.081 -43.266,19.05
  rectangle net NetC2_2: -48.092,18.923 -45.933,20.701
  rectangle net DC_4V2: -18.628,15.621 -17.104,19.05
  rectangle net NetL9_1: -16.596,14.28 -14.486,17.018
  rectangle net DC__GSM: -16.596,5.334 -13.675,8.89
  rectangle net DC__GSM: -17.231,7.747 -14.945,13.208
  rectangle net NetC6_1: -55.839,10.73 -48.56,12.223
  rectangle net NetC6_1: -56.601,10.541 -54.65,13.716
  rectangle net NetC6_1: -62.78,12.954 -54.65,16.002
  rectangle net NetC6_1: -49.489,10.73 -48.56,15.113
  rectangle net PWR_IN: -60.792,1.143 -56.22,6.604
  rectangle net NetD3_2: -73.238,5.461 -64.348,8.128
  rectangle net PWR_IN: -62.57,1.143 -58.506,8.509
  rectangle net NetC18_1: -73.238,10.16 -70.063,14.859
  rectangle net DC_4V7: -40.799,13.155 -38.034,20.723
  rectangle net GND: -52.408,15.646 -50.581,18.352
  rectangle net GND: -53.553,15.697 -51.648,17.018
Min_GND:
  rectangle net GND: -10.83,3.803 -7.442,6.273
  rectangle net DC_4V2: -18.857,15.621 -17.104,19.075
  rectangle net DC_4V2: -37.805,14.082 -35.875,17.043
  rectangle net DC_4V2: -35.189,17.094 -18.145,19.075
  rectangle net DC_4V2: -36.662,15.164 -33.36,17.043
  rectangle net DC_4V2: -35.551,16.662 -33.36,19.075
GND:
  rectangle net GND: -10.83,3.803 -7.442,6.273
BottomLayer:
  rectangle net VBAT: -46.279,14.475 -43.474,15.469
  rectangle net DC_4V7: -38.186,17.805 -36.027,21.793
  rectangle net DC_4V2: -38.186,11.811 -35.9,17.018
  rectangle net DC_4V2: -38.211,15.875 -36.027,17.374
  rectangle net VBAT: -40.956,11.278 -39.583,15.773
  rectangle net VBAT: -44.282,11.405 -40.345,15.469
  rectangle net DC__GSM: -16.596,6.477 -13.802,8.89
  rectangle net DC__GSM: -16.088,6.477 -11.516,7.493
  rectangle net DC__GSM: -16.088,7.874 -11.516,8.89
  rectangle net PWR_IN: -61.808,1.143 -56.22,6.604
  rectangle net DC_3V3: -46.543,30.328 -46.085,31.064
  rectangle net GND: -51.165,16.68 -45.217,19.888
  rectangle net VBAT: -45.323,6.02 -40.269,7.95
  rectangle net VBAT: -42.834,7.214 -40.269,12.802
  rectangle net GND: -46.898,8.407 -43.342,9.804
  rectangle net DC_4V2: -39.227,16.281 -37.907,17.374
  rectangle net DC_4V7: -46.441,20.472 -37.653,21.793

## Silkscreen, mask and mechanical layers (free items; w line width, h text height)
TopOverlay:
  circle w0.254: c-71.485,2.495 r2.5
  circle w0.254: c-44.993,47.504 r2.5
  circle w0.2: c-71.485,2.495 r1.5
  circle w0.254: c-44.993,47.504 r1.5
  rectangle: -30.043,10.49 -24.993,14.935
  lines w0.2: -73.34,44.51 -68.93,44.51 ; -73.34,47.05 -68.93,47.05 ; -70.82,39.43 -68.93,39.43 -68.93,49.59 -70.8,49.59 ; -70.8,41.97 -68.93,41.97 ; -68.55,46.9 -68.55,45.03 -60.93,45.03 -60.93,46.89 ; -66.01,45.08 -66.01,46.92 ; -63.44,45.03 -63.44,49.43 ; -8.56,31.25 -0.49,31.25 ; -8.56,39.13 -8.56,49.4 -0.5,49.4 ; -0.48,39.13 -0.48,49.4 ; -8.56,3.4 -0.48,3.4 -0.48,7.15 -0.48,39.16 -8.56,39.16 -8.56,3.4
  lines w0.254: -72.12,36.424 -72.12,35.458 -70.571,33.909 -70.088,33.909 -68.381,32.201 ; -51.88,0 -51.88,5 -48.74,5
  text "1" at -70.18,47.73 h1.2
  text "3" at -67.91,46.4 h1.2 r270
  text "2" at -65.3,46.36 h1.2 r270
  text "1" at -62.82,46.17 h1.2 r270
  text "J6" at -4.353,45.593 h0.8
  text "2" at -70.36,45.22 h1.2
  text "1 SWDIO" at -7.52,44.215 h0.8
  text "2 GND" at -7.52,42.905 h0.8
  text "3" at -70.38,42.6 h1.2
  text "3 SWCLK" at -7.45,41.52 h0.8
  text "4 NRST" at -7.43,40.19 h0.8
  text "4" at -70.36,40.16 h1.2
  text "J7" at -7.73,37.53 h0.8
  text "1 GND" at -7.68,35.94 h0.8
  text "2 COM2_RX" at -7.72,34.34 h0.8
  text "3 COM2_TX" at -7.74,32.86 h0.8
  text "ACCI" at -73.213,30.226 h1.02
  text "2018.11.27" at -7.61,29.5 h0.8
  text "Homer3E" at -7.66,27.95 h0.8
  text "JDQK" at -73.136,26.619 h1.02
  text "V3.5" at -8.26,26.31 h0.8
  text "CANL" at -73.136,23.165 h1.02
  text "CANH" at -73.136,19.939 h1.02
  text "GND" at -72.552,16.053 h1.02
  text "PWR" at -68.539,15.977 h1.02 r270
  text "博创联动" at -8.5,0.93 h2
BottomOverlay:
  lines w0.152: -62.468,42.266 -61.681,42.266 ; -61.656,42.291 -61.122,42.824 ; -61.122,42.85 -61.122,43.028 ; -43.393,15.2 -42.923,15.67
  lines w0.2: -40.23,11.221 -39.88,11.221

## Text inside footprints (layer, text, board x,y; h text height)
ANT1: TopOverlay "C&Q" at -20.42,37.658 h0.8 r270